# Allegro board reComputer J202_V1.0.brd (continued)
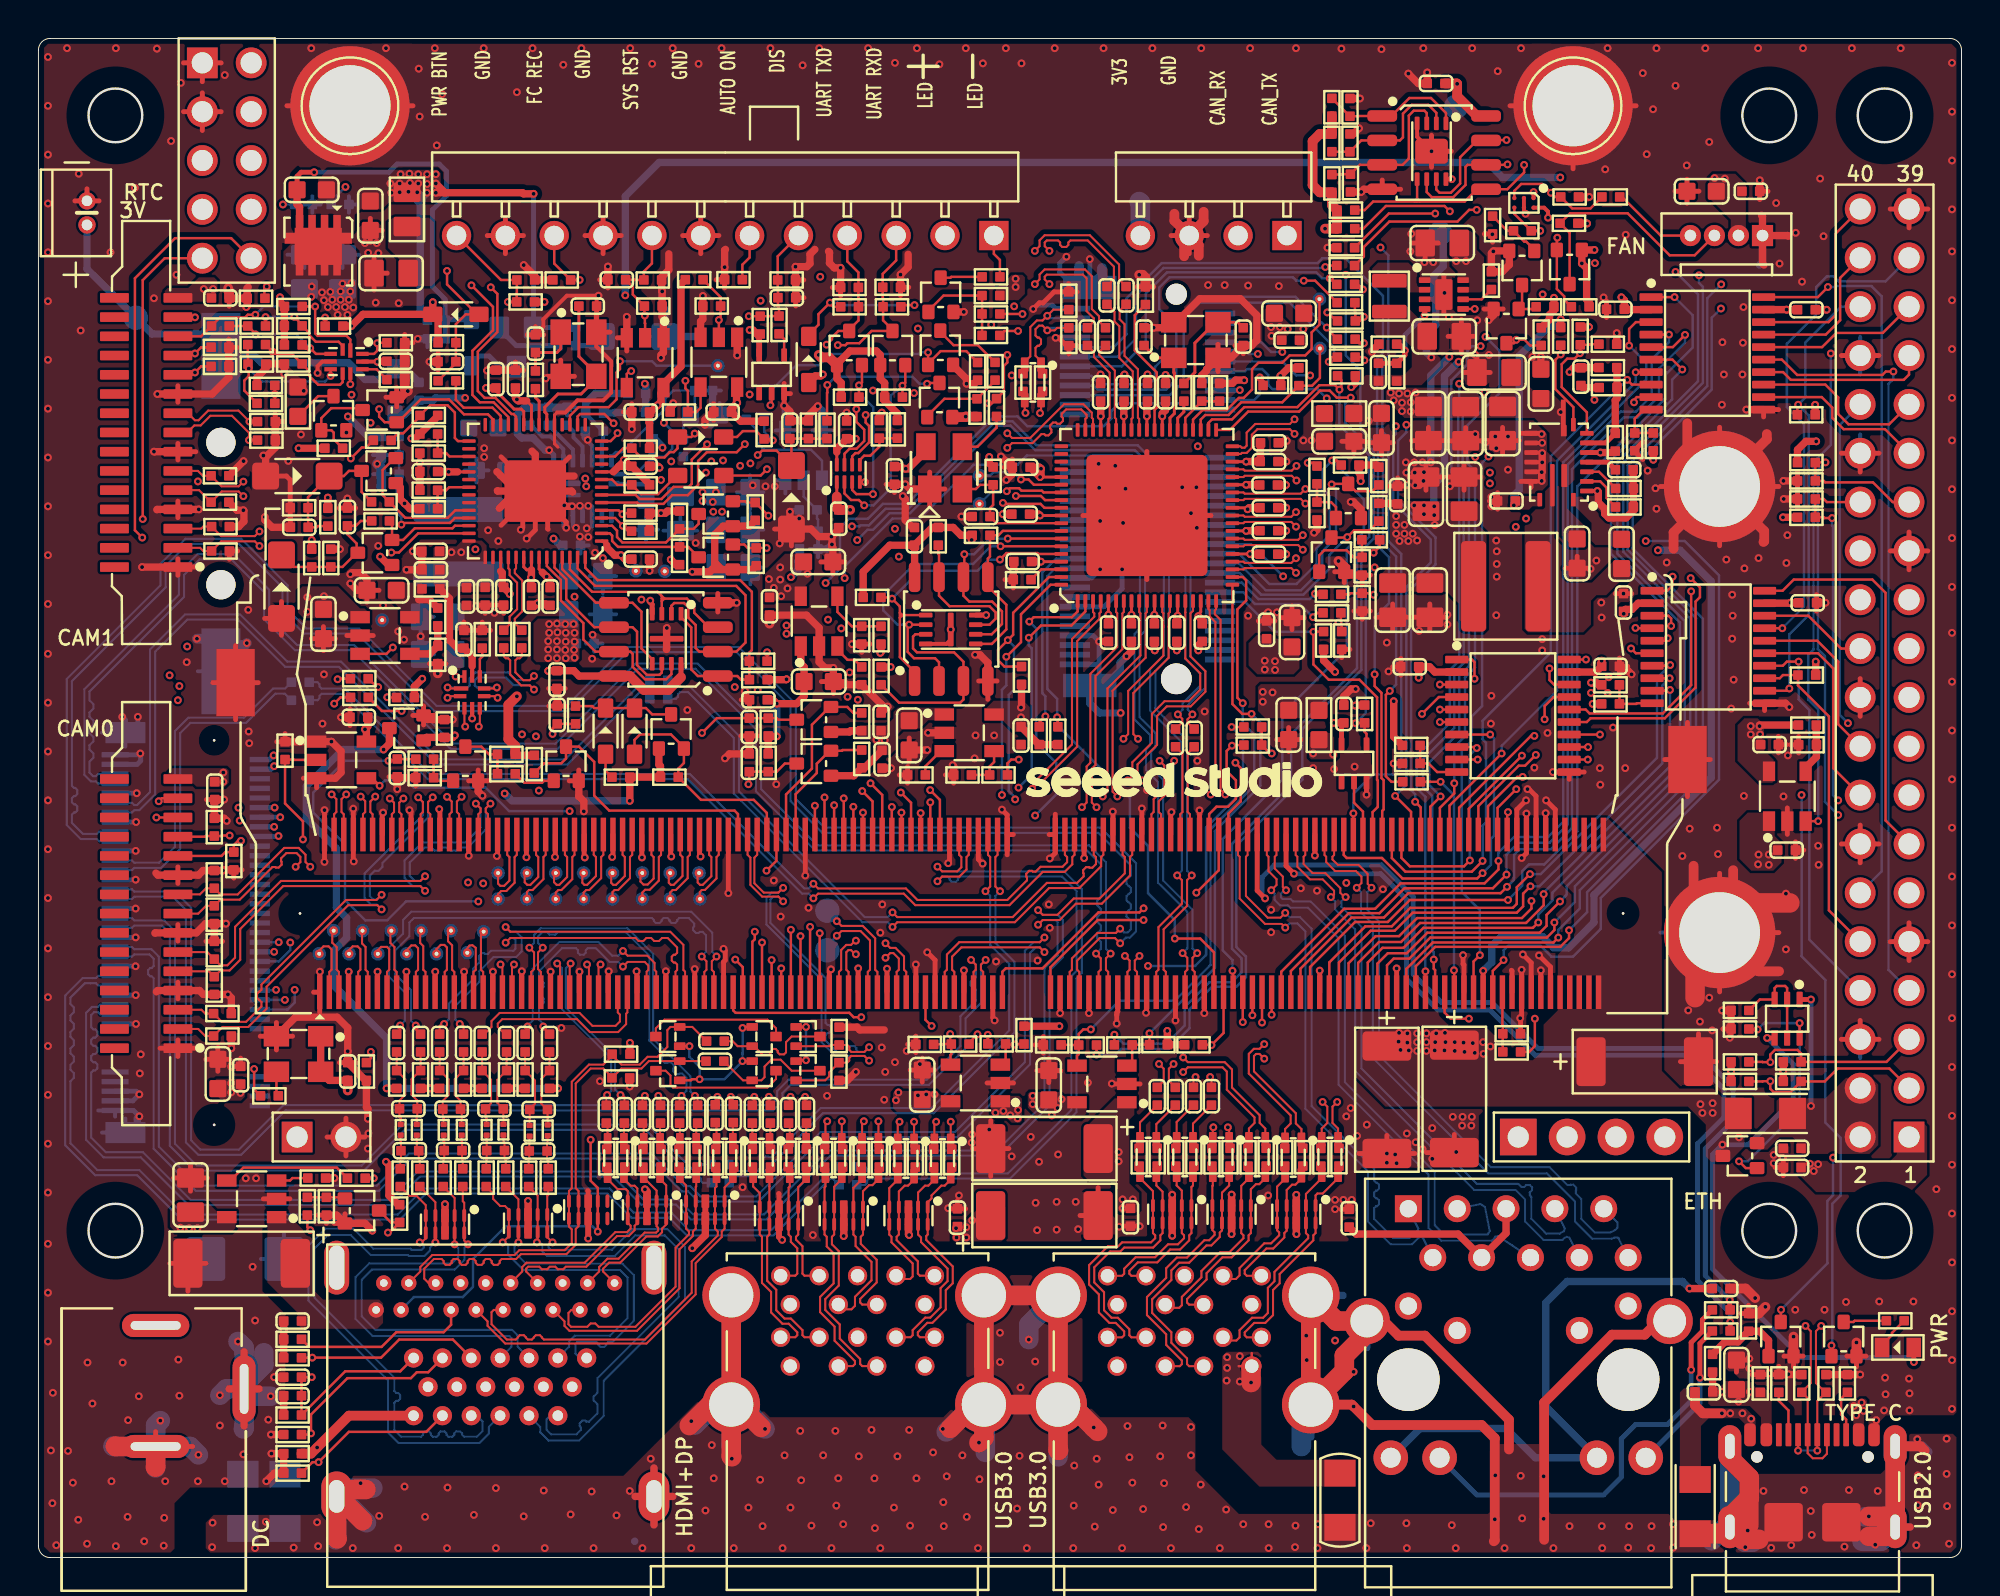
[diagram p0: board, top side]
## Nets (continued)
TYPE C_USB_DP: D6.2 J1.A6 J1.B6 U20.3
UART0_CTS: J11.105 J20.34
UART0_RTS: J11.103 J20.36
UART0_RXD: J11.101 J20.22
UART0_TXD: J11.99 J20.32
UART1_CTS: J11.209 U21.9
UART1_CTS_LS: J10.36 R169.2 U21.12
UART1_RTS: J11.207 U19.9
UART1_RTS_LS: J10.11 U19.12
UART1_RXD: J11.205 U21.8
UART1_RXD_LS: J10.10 R116.2 U21.13
UART1_TXD: J11.203 U21.7
UART1_TXD_LS: J10.8(TXD0/GPIO14) U21.14
UART2_RXD: J11.238 Q28.2(S) R176.2 U30.2
UART2_RXD_LS: D45.2 J15.3 Q28.3 R216.2 U30.7
UART2_TXD: J11.236 Q27.2(S) R175.2 U30.3
UART2_TXD_LS: D44.2 J15.4 Q27.3 R215.2 U30.6
USB0_AP_N: J11.109 U20.6
USB0_AP_P: J11.111 U20.2
USB0_VBUS_DET*: J11.87 Q1.3
USB1_A_N: J4.11 L10.3 R28.2 U4.2 U4.9
USB1_A_P: J4.12 L10.2 R40.2 U4.1 U4.10
USB1_AP_N: J11.115 TP43.1(TP) U28.56
USB1_AP_P: J11.117 TP41.1(TP) U28.55
USB1_B_N: J3.11 L15.3 R46.2 U7.2 U7.9
USB1_B_P: J3.12 L15.2 R52.2 U7.1 U7.10
USB2_A_N: J4.2 L9.3 R27.2 U4.5 U4.6(NC4)
USB2_A_P: J4.3 L9.2 R39.2 U4.4 U4.7
USB2_AP_N: J11.121 L27.2 R184.2
USB2_AP_P: J11.123 L27.3 R183.2
USB2_B_N: J3.2 L14.3 R45.2 U7.5 U7.6(NC4)
USB2_B_P: J3.3 L14.2 R51.2 U7.4 U7.7
USB3XI: C152.1 U28.45 X2.1
USB3XO: R177.1 U28.44
USB3XO_R: C153.1 R177.2 X2.3
USB_BOOT: D54.2 J17.2 R117.2
USB_DM: R120.2 U29.46
USB_DP: R121.2 U29.47
USB_MUX_OE*: R119.1 U20.8
USB_MUX_SEL: D43.2 J17.5 R207.2 U20.10
USBSS_RX_A_CON1_N: J4.14 L1.2 R30.2 U5.4 U5.7
USBSS_RX_A_CON1_P: J4.15 L1.3 R29.2 U5.5 U5.6(NC4)
USBSS_RX_A_CON2_N: J4.5 L2.2 R34.2 U5.1 U5.10
USBSS_RX_A_CON2_P: J4.6 L2.3 R33.2 U5.2 U5.9
USBSS_RX_B_CON1_N: J3.14 L11.2 R53.2 U8.4 U8.7
USBSS_RX_B_CON1_P: J3.15 L11.3 R47.2 U8.5 U8.6(NC4)
USBSS_RX_B_CON2_N: J3.5 L16.2 R54.2 U8.1 U8.10
USBSS_RX_B_CON2_P: J3.6 L16.3 R48.2 U8.2 U8.9
USBSS_RX_HUB_N: C151.2 U28.52
USBSS_RX_HUB_P: C150.2 U28.53
USBSS_RX_N: C161.1 J11.161
USBSS_RX_P: C160.1 J11.163
USBSS_TX_A_CON1_N: J4.17 L8.2 R41.2 U3.1 U3.10
USBSS_TX_A_CON1_P: J4.18 L8.3 R42.2 U3.2 U3.9
USBSS_TX_A_CON2_N: J4.8 L7.2 R32.2 U3.4 U3.7
USBSS_TX_A_CON2_P: J4.9 L7.3 R31.2 U3.5 U3.6(NC4)
USBSS_TX_B_CON1_N: J3.17 L13.2 R50.2 U6.1 U6.10
USBSS_TX_B_CON1_P: J3.18 L13.3 R44.2 U6.2 U6.9
USBSS_TX_B_CON2_N: J3.8 L12.2 R49.2 U6.4 U6.7
USBSS_TX_B_CON2_P: J3.9 L12.3 R43.2 U6.5 U6.6(NC4)
USBSS_TX_HUB_N: C161.2 U28.49
USBSS_TX_HUB_P: C160.2 U28.50
USBSS_TX_N: C151.1 J11.166
USBSS_TX_P: C150.1 J11.168(USBSS_TX_P)
USBSUS: TP33.1(TP) U28.64
W_DISABLE1: J20.56 Q19.3 R142.2
W_DISABLE1_CTRL: J11.128 R266.1
W_DISABLE2: J20.54(W_DISABLE2#(O)(0/3.3V)) Q22.3 R152.2
WIFI_EN: Q19.1 R266.2 R267.1
YELLOW_LED: J6.18(YEL-) R6.2
N25850412: R90.2 R96.2 U19.10
N25851230: R107.2 R110.2 U21.10
N25852172: R158.2 R159.2 U37.10
N25911235: D20.1 R83.2
N25912244: Q3.1 R11.1 R12.1
N25927437: LED1.2(C) R8.1
N25927478: Q2.3 R8.2
N25946676: Q31.3 R230.2
N25979746: D38.2(C) R215.1 R216.1
N26006489: Q11.2 Q11.3 Q11.5 R80.1
N26006497: Q4.1 Q11.6 R79.1
N26055734: C147.1 R185.1 X1.1
N26086243: R155.1 R162.1 U29.31
N26086803: R143.1 R148.1 U29.35
N26280660: TP37.1(TP) U29.17
N26375074: Q30.3 R203.2 R238.1 R270.1 U39.C1
N26991327: OSC1.3 R268.1
N27061287: C3.1 C5.1 D5.2 J1.B4 J1.B9 R4.1
N27061303: Q1.1 R4.2 R7.1
N27077930: D53.2(C) R257.1 R259.2
N27077935: Q35.1 R257.2
N27077990: D52.1 Q35.3
N27078074: C167.2 D52.2(C) Q34.4 R258.1 R260.2
N27079470: C163.1 R237.2
N27096429: C189.1 U42.19
N27097525: C192.1 R253.2
N27099474: C104.1 U32.19
N27099788: C144.1 R180.2
N27107328: Q29.3 R190.2
N27107353: Q26.1 R171.1 R190.1
N27107904: Q26.3 R165.1
N27110960: R212.2 U33.4(Y)
N27125534: R219.1 U38.6
N27125586: C141.2 R194.2 R199.1 U38.4
N27163242: R122.1 R123.2 U27.4
N27163660: R114.1 U27.3
N27181331: R86.1 R87.2 U18.4
N27181337: R85.1 U18.3
N27707013: R269.1 U43.1(RST)

Pads without a net: J1 A8 B8; J5 A14 S2; J9 16 17 18 19 20 21 22 23 24 25 26 27 28 29 30; J12 16 17 18 19 20 21 22 23 24 25 26 27 28 29 30; J18 6 8 10 20 22 24 26 28 30 32 34 36 38 46 48 56 58 67 69; J20 6 16 21 23 38 40 42 44 46 48 59 61 64 65 66 67 68 70 71 73; U9 1 10; U16 1; U28 57 58 59 60 61; U29 8 11 13 15 18 28 30 32 34 36 37; U33 1

## Via types
v1: diameter 0.406, hole 0.203, TOP to BOTTOM, 1796 vias

## Routing (per net, layer and track width the routed paths; a pad name or vN(x,y) marks a point on that pad's centre or on a via; arc(x,y) is an arc through that point)
1V1_MCU: length 21.5
  TOP w0.152: 26.2,51.24 26.04,51.4 U29.50 ; U29.23 25.24,59.6 25.11,59.72 24.74,59.72 23.79,60.67 C143.1 ; U29.45 24.04,51.3
  TOP w0.381: 24.04,51.3 24.12,51.21 24.12,50.53 C98.1 24.51,50.14 v1(24.51,50.11) ; 26.2,51.24 v1(26.43,51.01) 26.6,50.83 C96.1 ; C143.1 v1(23.28,60.82)
  LAY3 w0.381: v1(26.43,51.01) 25.95,51.49 25.16,51.49 24.51,50.84 v1(24.51,50.11)
  LAY4 w0.381: v1(23.28,60.82) 24.51,59.6 v1(24.51,50.11)
3V3_LDO: length 1.2
  TOP w0.381: R125.1 20.32,49.82 19.77,49.82
3V3_MCU: length 101.9
  TOP w0.152: U29.1 29.33,52.86 29.55,52.64 ; 21.8,56.46 U29.33 ; 25.39,60.15 25.64,59.91 U29.22 ; U29.49 25.64,51.37 25.39,51.37 25.24,51.52 U29.48 ; 29.89,56.46 U29.10
  TOP w0.203: 22.55,46.35 U20.9
  TOP w0.254: 33.41,45.78 U23.8
  TOP w0.305: U33.5 37.48,63.58 R211.1
  TOP w0.381: 25.64,51.37 25.64,50.98 v1(25.62,50.96) 25.62,50.46 C95.1 ; v1(36.98,63.84) 37.15,63.84 37.35,63.63 R211.1 ; R201.1 20.78,64.38 D41.2 ; D41.2 v1(20.51,65.29) ; D41.2 16.88,64.65 v1(16.27,64.04) R207.1 ; C142.1 24.8,60.3 v1(24.88,60.23) 24.95,60.15 25.39,60.15 ; v1(17.77,52.05) 18.2,51.62 Q20.1 ; U22.8 28.12,45.84 27.84,46.12 C79.1 26.52,46.12 v1(26.5,46.11) ; R111.1 38.88,45.65 v1(38.9,45.68) ; Q23.1 18.82,55.64 18.82,55.04 v1(19.04,54.82) 19.31,54.54 R143.2 ; R136.1 R146.1 v1(32.37,54.31) 32.6,54.31 32.71,54.42 R138.1 ; R150.1 31.78,55.82 C125.1 30.77,56.75 ; R133.1 33.15,51.63 v1(32.88,51.9) ; 29.55,52.64 29.55,52.53 29.96,52.13 v1(30.29,52.13) 30.49,51.92 C107.1 ; 30.77,56.75 30.18,56.75 ; 30.77,56.75 v1(30.44,57.08) 30.44,57.01 30.18,56.75 ; R168.1 20.76,59.36 R162.2 19.6,58.2 v1(19.39,58.2) ; 22.55,46.35 22.55,46.87 C80.1 21.79,47.29 21.37,47.71 21.37,49.87 FB3.2 ; 30.18,56.75 29.89,56.46 ; R156.1 31.78,58.99 31.75,59.02 31.75,59.46 31.78,59.49 C135.1 31.84,59.57 v1(32.19,59.93) 32.37,60.1 32.37,60.55 32.5,60.67 U34.5 32.5,61.03 33.41,61.95 33.41,66.23 R228.1 ; 21.8,56.46 v1(21.33,56.46) 21.31,56.47 C122.1
  TOP w0.508: U22.8 30.76,45.84 31.48,45.12 32.75,45.12 33.41,45.78
  LAY3 w0.381: v1(32.19,59.93) 32.93,60.66 33.95,60.66 34.33,61.04 34.33,61.93 36.23,63.84 v1(36.98,63.84) ; v1(30.29,52.13) 30.81,52.13 31.04,51.9 v1(32.88,51.9) ; v1(25.62,50.96) 25.62,50.44 25.44,50.26 25.44,47.02 26.35,46.11 v1(26.5,46.11)
  LAY4 w0.381: v1(38.9,45.68) 38.53,46.04 27.09,46.04 27.03,46.11 v1(26.5,46.11) ; J17.7 9.82,68.82 9.82,66.81 10.83,65.79 11.29,65.79 13.22,63.86 15.19,63.86 15.37,64.04 v1(16.27,64.04) ; v1(32.88,51.9) 32.88,53.81 v1(32.37,54.31)
  LAY4 w0.508: v1(21.98,52.28) 21.98,51.68 24.15,49.52 24.94,49.52 25.62,50.2 v1(25.62,50.96)
  vias: v1(21.48,52.28)
3V3_MCU_FB: length 2.7
  TOP w0.381: R125.2 R118.1 20.35,47 U24.4
GND: length 1579.5
  TOP w0.127: 63.09,9.27 J3.4 ; J3.4 63.09,10.63 ; J3.4 62.41,9.95 ; 32.66,48.28 32.66,48.33 v1(32.68,48.34) ; 31.64,18.97 31.56,19.06 31.56,19.13
  TOP w0.152: 26.96,59.54 26.84,59.42 U29.19 26.84,57.92 27.01,57.74 ; U30.4 v1(42.98,55.93)
  TOP w0.203: U25.4 47.21,47.51 47.44,47.74 v1(47.44,48.26) ; U32.14 78.15,56.47 v1(78.17,56.45) ; 71.79,73.57 72.23,73.13 v1(72.44,73.13) 71.69,73.88 U41.4 ; v1(78.19,57.97) 78.19,57.97 U32.11 ; U32.1 v1(81.06,55.47) ; U32.13 78.18,56.97 v1(78.19,56.95) ; C147.2 26.25,64 26.25,64.4 27.48,65.62 v1(29.12,65.62) 29.12,65.59 29.03,65.5 C157.2 ; v1(78.17,55.99) 78.14,55.97 U32.15 ; U36.4 14.75,62.2 14.52,61.96 v1(14.52,61.6) ; U32.12 78.16,57.47 v1(78.19,57.44) ; U39.B1 U39.B2 77.25,69.97 v1(77.33,69.88) ; U20.4 v1(22.55,43.64) ; X1.4 29.01,62.98 29.78,62.21 29.78,60.59 29.37,60.18 28.03,60.18 27.39,59.54 26.96,59.54
  TOP w0.254: J11.261 86.93,41.5 ; J11.261 85.75,39.57 ; J11.261 85.75,43.43 ; J11.261 84.57,41.5 ; 50.64,57.13 C124.2 50.21,56.7 ; 19.62,40.13 R82.2 19.62,40.98 ; 90.48,41.85 C64.2 ; C64.2 90.91,42.28 ; C64.2 90.48,42.71 ; J17.1 9.5,77.73 ; J17.1 7.54,77.73 ; J17.1 8.52,76.75 ; 51.91,25.32 C43.2 ; C43.2 53.16,25.32 ; C43.2 52.54,25.95 ; C43.2 52.54,24.7 ; 14.2,47.79 C88.2 ; C88.2 15.44,47.79 ; C88.2 14.82,48.41 ; C88.2 14.82,47.16 ; 91.53,41.84 R98.2 ; R98.2 91.1,42.27 ; R98.2 91.53,42.7 ; D24.1 69.26,49.22 ; D24.1 68.4,49.22 ; D24.1 68.83,48.79 ; 45.26,66.06 D45.1 44.83,65.63 ; X1.2 26.48,61.43 v1(26.38,61.32) ; X1.2 27.87,61.43 ; X1.2 27.16,62.27 ; 11.76,48.84 D23.1 ; D23.1 12.64,49.72 ; D23.1 12.64,47.96 ; 89.11,9.52 D5.1 89.96,9.52 ; 75.19,68.83 R233.2 75.62,68.4 ; 44.08,55.81 C121.2 44.51,55.38 ; C48.2 87.26,25.79 ; C48.2 85.38,25.79 ; C48.2 86.32,27.24 ; C163.2 17.45,67.67 ; C163.2 17.45,65.92 ; C163.2 18.14,66.79 ; OSC1.2 13.21,27.11 ; OSC1.2 12.37,27.82 ; OSC1.2 12.37,26.4 ; OSC1.2 11.54,27.11 ; U19.11 80.38,40.85 ; U19.11 79.6,40.47 ; U19.11 v1(78.75,40.85) ; J11.141 49.62,28.07 49.72,27.97 v1(49.72,27.93) ; 39.16,52.61 D29.1 38.28,53.49 ; v1(77.43,39.96) 77.51,39.96 77.87,39.59 J11.246 ; 67.78,58.05 C128.2 ; C128.2 68.4,57.43 ; C128.2 69.03,58.05 ; 69.88,71.64 U40.4 70.83,71.16 ; 50.37,36.55 J11.144 ; J11.144 50.69,37.6 ; J11.144 50.37,38.62 v1(50.1,38.89) ; 59.84,67.81 J16.3 ; J16.3 58.9,68.75 ; J16.3 60.78,68.75 ; J16.3 59.84,69.69 ; J11.43 25.12,30.33 25.13,30.34 v1(25.13,30.49) ; 45.28,41.37 C68.2 45.28,42.62 ; J11.176 v1(60.37,38.86) ; C199.2 76.13,58.77 ; C199.2 76.13,57.4 ; C199.2 75.26,58.08 ; C199.2 77.01,58.08 ; v1(74.08,31.33) 74.08,30.87 74.12,30.82 J11.231 ; J15.11 24.28,69.69 ; J15.11 24.28,67.81 ; J15.11 23.34,68.75 ; J15.11 25.22,68.75 ; 20.78,62.62 C145.2 20.78,61.76 ; C147.2 25.85,64.02 ; C147.2 25.42,63.59 ; C147.2 26.27,63.59 ; 9.93,51.92 D25.1 10.36,52.34 ; 91.47,55.48 D28.1 91.47,54.62 ; v1(19.29,38.87) 19.37,38.79 J11.20 ; J10.39 98.25,70.13 ; J10.39 96.29,70.13 ; J10.39 97.27,71.11 ; J10.39 97.27,69.15 ; 73.62,22 C38.2 72.18,21.06 ; C193.2 85.72,71.68 ; C193.2 86.35,71.05 ; C193.2 85.72,70.43 ; C193.2 85.1,71.05 ; 34.44,67.81 J15.7 ; J15.7 35.38,68.75 ; J15.7 33.5,68.75 ; J15.7 34.44,69.69 ; 70.85,45.9 C77.1 ; C77.1 70.85,46.75 ; C77.1 70.42,46.32 ; D33.1 12.89,56.24 13.09,56.04 R144.2 13.09,54.09 13.1,54.08 C110.2 ; 36.55,44.61 C75.2 36.98,44.18 ; 26.5,53.47 26.48,53.5 26.48,54.13 25.84,54.78 ; 35.25,66.46 R229.2 35.68,66.03 ; D40.1 54.01,63.02 ; D40.1 53.58,62.59 ; D40.1 53.46,63.02 53.05,63.43 v1(52.89,63.43) ; 8.52,74.21 J17.3 ; J17.3 9.5,75.19 ; J17.3 8.52,76.17 ; J17.3 7.54,75.19 ; U33.3 39.1,60.53 ; U33.3 38.78,61.06 ; U33.3 v1(38.78,59.9) ; C19.2 49.52,22.72 ; C19.2 50.46,21.27 ; C19.2 48.58,21.27 ; C19.2 49.52,19.82 ; 49.37,44.63 U26.4 ; U26.4 49.85,45.59 ; U26.4 48.89,45.59 ; v1(77.36,39.38) 76.87,38.9 J11.242 ; 14.97,17.38 R12.2 14.54,17.81 ; J11.13 17.62,30.46 v1(17.63,30.47) ; 14.46,40.03 U17.3 13.78,40.53 ; 57.14,66.09 R225.2 57.99,66.09 ; 7.25,35.06 J9.10 7.25,35.92 ; v1(29.65,30.49) 29.62,30.46 J11.61 ; 1.89,70.55 J14.1 ; J14.1 2.52,71.18 ; J14.1 3.15,70.55 ; 7.25,29.92 J9.4 7.25,29.06 ; J11.262 10.25,47.43 ; J11.262 11.43,45.5 ; J11.262 9.07,45.5 ; J11.262 10.25,43.57 ; 25.84,54.78 25.84,55.04 ; 25.84,54.78 25.84,53.44 v1(25.39,52.99) ; 25.84,55.04 25.18,54.39 25.18,53.55 v1(25.08,53.45) ; 25.84,55.04 U29.57 ; 45.19,40.27 R85.2 ; R85.2 44.76,40.7 ; R85.2 45.19,41.13 ; 64.39,42.54 C70.2 ; C70.2 65.64,42.54 ; C70.2 65.01,41.92 ; C70.2 65.01,43.16 ; 67.41,51.27 Q19.2 ; Q19.2 67.9,50.71 ; Q19.2 68.4,51.27 ; 90.49,59.7 U37.11 89.71,59.32 ; C134.2 73.16,58.09 ; C134.2 72.28,57.4 ; C134.2 71.4,58.09 ; C134.2 72.28,58.77 ; v1(48.12,30.54) J11.135 ; 67.73,18.11 C9.2 68.16,18.54 ; 46.35,54.69 U31.1 ; U31.1 47.13,55.57 ; U31.1 46.35,56.45 ; 19.47,43.79 Q16.2 ; Q16.2 20.03,44.29 ; Q16.2 20.59,43.79 ; Q16.2 20.03,43.3 ; 64.56,48.88 C86.2 ; C86.2 65.18,48.26 ; C86.2 65.81,48.88 ; C86.2 65.18,49.5 ; 37.39,42.73 C69.2 36.54,42.73 ; 89.76,44.05 U21.11 88.98,44.43 ; C198.2 74.8,62.51 ; C198.2 75.49,61.63 ; C198.2 74.12,61.63 ; v1(31.38,36.41) 31.37,36.41 J11.68 ; 38.49,18.93 38.51,18.92 U3.3 ; 54.31,54.19 U28.77 ; U28.77 60.97,54.19 ; U28.77 57.64,50.86 ; U28.77 57.64,57.52 ; 92.46,49.22 C91.2 92.46,50.08 ; v1(47.31,36.11) 47.31,36.13 47.37,36.19 J11.132 ; C10.2 47.79,18.56 ; C10.2 48.21,18.14 ; C10.2 47.36,18.14 ; J11.62 29.87,36.47 v1(29.83,36.43) ; 91.47,55.56 D30.1 91.47,56.42 ; 96.29,52.35 J10.25 ; J10.25 97.27,53.33 ; J10.25 97.27,51.37 ; J10.25 98.25,52.35 ; C142.2 25.23,61.75 ; C142.2 24.8,62.18 ; C142.2 24.38,61.75 ; v1(31.1,30.49) 31.12,30.46 J11.67 ; R119.2 23.08,48.65 ; R119.2 22.65,48.22 ; R119.2 23.51,48.22 ; C13.2 7.91,20.43 ; C13.2 8.78,19.74 ; C13.2 7.91,19.05 ; C13.2 7.03,19.74 ; 57.21,17.24 C11.2 56.36,17.24 ; v1(27.44,53.55) 27.44,53.85 U29.57 ; 83.4,58 83.01,57.6 R158.1 83.01,57.53 83.43,57.11 ; 27.6,40.39 Q12.2 28.1,40.95 ; 50.69,50.43 R129.2 50.26,50.85 ; 16.5,54.58 C112.2 15.64,54.58 ; 40.71,45.55 C76.2 ; C76.2 41.96,45.55 ; C76.2 41.34,44.93 ; C117.2 73.03,56.19 ; C117.2 72.15,55.51 ; C117.2 72.15,56.88 ; C117.2 71.27,56.19 ; 91.26,9.91 Q1.2 ; Q1.2 90.77,10.47 ; Q1.2 91.76,10.47 ; 18.23,40.6 C61.2 19.09,40.6 ; 50.7,24.68 U14.2 49.33,24.68 ; C122.2 v1(19.83,56.93) R155.2 ; 74.21,57.39 C132.2 ; C132.2 75.09,58.08 ; C132.2 74.21,58.76 ; C132.2 73.34,58.08 ; 68.2,47.23 D22.1 67.77,46.8 ; U32.5 v1(81.22,57.47) ; 35.11,59.14 C136.2 35.11,60 ; 28.42,68.75 J15.9 ; J15.9 29.36,67.81 ; J15.9 29.36,69.69 ; J15.9 30.3,68.75 ; 7.25,60.08 J12.10 7.25,60.94 ; 22.8,49.53 C97.2 ; C97.2 23.65,49.53 ; C97.2 23.23,49.1 ; v1(72.44,73.13) 72.44,73.96 ; v1(72.44,73.13) 72.44,72.3 ; v1(72.44,73.13) 73.47,73.13 ; 88.92,10.27 C5.2 88.3,9.64 ; D42.1 53.58,66.25 ; D42.1 54.01,65.82 ; D42.1 52.81,65.82 52.24,65.25 52.05,65.25 v1(51.73,64.93) ; 7.25,54.08 J12.4 7.25,54.94 ; 6.32,26.49 J9.1 ; J9.1 8.18,26.49 ; J9.1 7.25,26.92 ; J9.1 7.25,26.06 ; 81.54,64.49 C156.1 81.54,65.35 ; 71.42,68.36 C164.2 ; C164.2 72.11,67.48 ; C164.2 72.79,68.36 ; 72.35,48.22 C93.2 ; C93.2 71.47,48.9 ; C93.2 72.35,49.59 ; C93.2 73.23,48.9 ; 19.48,75.5 MH1.1 12.92,75.5 ; 88.92,13.12 R7.2 88.5,12.69 ; v1(32.91,36.46) 32.87,36.49 J11.74 ; 70.42,48.22 C92.2 ; C92.2 71.3,48.9 ; C92.2 69.54,48.9 ; C92.2 70.42,49.59 ; J11.19 19.12,30.46 v1(19.13,30.47) ; 55.91,24.63 U13.2 57.28,24.63 ; 7.25,51.08 J12.1 ; J12.1 7.25,51.94 ; J12.1 8.18,51.51 ; J11.201 v1(66.62,30.52) ; v1(20.84,38.92) 20.87,38.89 J11.26 ; 82.85,50.13 v1(82.42,50.13) 81.99,50.13 ; Q25.2 18.63,60.84 ; Q25.2 18.63,59.85 ; Q25.2 18.07,60.34 ; v1(56.07,27.77) 56.07,28.23 56.08,28.23 56.08,28.34 56.12,28.39 J11.159 ; 94.73,56.45 J10.30 ; J10.30 95.71,57.43 ; J10.30 93.75,57.43 ; v1(57.59,28.33) 57.62,28.36 J11.165 ; v1(17.92,38.74) 17.87,38.7 J11.14 ; v1(16.13,30.47) 16.12,30.46 J11.7 ; C46.2 9.95,25.91 ; C46.2 8.71,25.91 ; C46.2 9.33,25.29 ; C46.2 9.33,26.53 ; 52.56,37.6 J11.146 ; J11.146 52.87,36.64 v1(52.59,36.35) ; J11.146 52.87,38.65 ; 9.92,65.07 C158.2 10.35,65.5 ; J11.241 76.62,30.51 76.59,30.54 ; 43.24,47.5 R122.2 42.81,47.08 ; 12.82,42.85 R95.2 12.39,42.42 ; v1(31.81,49.76) 31.81,49.66 31.91,49.56 U23.4 ; 19.05,63.6 R200.2 19.47,63.18 ; 79.39,51.45 C105.2 ; C105.2 80.64,51.45 ; C105.2 80.01,52.07 ; J11.55 28.12,30.46 v1(28.13,30.47) ; 93.75,37.11 J10.14 ; J10.14 94.73,36.13 ; J10.14 95.71,37.11 ; J10.14 94.73,38.09 ; 90.07,9.52 R2.2 90.5,9.94 ; v1(46.21,31.48) 46.63,31.07 J11.129 ; MH4.1 87.42,58.78 ; MH4.1 87.42,52.62 ; MH4.1 84.34,55.7 ; MH4.1 90.5,55.7 ; 30.85,60 C135.2 30.43,59.57 ; J11.245 77.62,30.93 v1(77.19,31.36) ; C148.2 73.99,64.38 ; C148.2 73.99,62.63 ; C148.2 74.68,63.51 ; C148.2 73.3,63.51 ; 39.79,66.44 D49.1 39.37,66.01 ; 91.37,36.36 C59.2 ; C59.2 91.37,37.22 ; C59.2 91.79,36.79 ; 74.13,55.51 C118.2 ; C118.2 74.13,56.88 ; C118.2 75.01,56.19 ; C118.2 73.25,56.19 ; J11.200 v1(66.38,36.51) ; J11.31 22.12,30.46 v1(22.13,30.47) ; 69.84,57.36 C131.2 ; C131.2 70.46,57.98 ; C131.2 69.21,57.98 ; C131.2 69.84,58.6 ; 10.16,35.33 D18.1 10.59,35.76 ; 68.83,50.66 R267.2 69.26,51.09 ; 17.71,50.3 C99.2 17.08,49.68 ; 15.38,17.38 Q3.2 15.94,17.87 ; 14.62,28.35 J11.1 ; J11.1 14.31,29.4 ; J11.1 14.62,30.46 v1(14.63,30.47) ; 24.06,53.68 U29.57 ; U29.57 24.06,57.24 ; U29.57 27.61,57.24 ; J11.107 41.12,30.5 v1(41.21,30.59) ; 16.2,43.27 C72.2 16.2,44.13 ; 41.71,65.62 D44.1 41.28,66.05 ; J10.9 97.27,33.01 ; J10.9 97.27,31.05 ; J10.9 98.25,32.03 ; J10.9 96.29,32.03 ; C78.2 82.21,46.78 ; C78.2 82.21,45.92 ; C78.2 82.64,46.35 ; C157.2 29.03,63.75 X1.4 ; R90.1 v1(70.47,41.3) ; J11.38 23.87,36.52 v1(23.84,36.48) ; J11.37 23.62,30.46 v1(23.63,30.47) ; v1(77.13,36.38) 77.38,36.63 J11.244 v1(77.38,38.69) ; J11.50 26.87,36.45 v1(26.86,36.43) ; 87.59,27.49 R79.2 88.02,27.06 ; 15.99,20.89 J7.2 ; J7.2 15.01,21.87 ; J7.2 16.97,21.87 ; J7.2 15.99,22.85 ; J11.85 35.63,30.98 35.72,31.07 35.72,31.56 v1(35.62,31.66) ; 77.62,55.66 U32.15 77.09,55.97 ; v1(28.41,36.41) 28.37,36.44 J11.56 ; 8.02,5.77 J2.2 6.09,6.55 ; 39.38,65.09 C159.2 39.81,65.52 ; 20.33,46.48 R118.2 21.19,46.48 ; X1.4 29.72,63.73 ; X1.4 29.01,64.57 ; C165.2 17.88,69.02 ; C165.2 17.26,69.64 ; C165.2 17.26,68.4 ; C116.2 71.11,55.72 ; C116.2 70.68,56.14 ; C116.2 70.25,55.72 ; J11.164 v1(57.37,38.95) ; 76.17,64.93 Q30.2 75.17,64.93 ; 26.55,44.28 C73.2 27.4,44.28 ; 87.42,29.42 MH3.1 ; MH3.1 90.5,32.5 ; MH3.1 87.42,35.58 ; J11.247 v1(78.12,30.54) ; v1(70.12,21.01) 71.57,21.01 ; v1(70.12,21.01) 70.12,21.95 ; v1(70.12,21.01) 68.67,21.01 ; 35.33,50.13 U22.4 35.33,49.17 ; 62.65,62.6 C153.2 62.22,63.03 ; 23.76,49.53 C98.2 24.19,49.1 ; J12.7 8.18,57.51 ; J12.7 7.25,57.08 ; J12.7 7.25,57.94 ; 73.08,64.7 U38.9 73.08,66.66 ; 94.73,45.71 J10.20 94.73,43.75 ; C101.2 41.93,51.78 ; C101.2 40.69,51.78 ; C101.2 41.31,51.15 ; C129.2 v1(42.03,59.54) ; 47.59,40.27 R86.2 47.16,40.7 ; 61.34,61.68 X2.2 61.34,63.1 ; 90.94,38.98 U15.2 90.94,37.61 ; 10.09,25.54 C45.2 10.52,25.97 ; MH2.1 83.08,75.5 ; MH2.1 79.8,72.22 ; MH2.1 76.52,75.5 ; v1(58.91,38.77) 58.87,38.73 J11.170 ; C8.2 8.71,15.3 ; C8.2 6.83,15.3 ; C8.2 7.77,13.85 ; v1(14.87,36.18) 14.88,36.18 J11.2 v1(14.88,38.87) ; J10.6 94.73,27.93 ; J10.6 93.75,26.95 ; J10.6 95.71,26.95 ; 63.43,48.71 C87.2 64.29,48.71 ; J11.217 v1(70.62,30.64) ; 90.73,19.86 C14.2 ; C14.2 90.3,20.29 ; C14.2 90.73,20.72 ; 13.07,18.66 U12.2 11.7,18.66 ; 94.04,10.47 Q2.2 ; Q2.2 95.03,10.47 ; Q2.2 94.54,9.91 ; 26.53,45.19 C79.2 27.39,45.19 ; 89.51,70.62 C166.2 89.94,71.05 ; v1(78.03,31.31) 78.62,30.72 J11.249 ; J11.113 v1(42.63,30.64) ; 75.88,54.52 C119.2 ; C119.2 75.45,54.95 ; C119.2 75.88,55.38 ; v1(16.37,38.95) 16.37,38.94 J11.8 16.37,36.22 v1(16.4,36.2) ; 16.51,25.74 C47.2 15.65,25.74 ; v1(34.43,36.46) 34.37,36.51 J11.80 ; 12.32,59.5 D36.1 12.74,59.08 ; v1(55.87,38.79) 55.87,38.79 J11.158 ; U16.3 v1(69.06,39.67) ; J11.102 v1(39.87,35.47) ; 9.57,32.05 D15.1 8.71,32.05 ; J11.153 v1(54.62,28.31) ; 28.56,19.08 28.59,19.06 U9.3 ; v1(20.63,30.47) 20.62,30.46 J11.25 ; J11.44 v1(25.37,36.42) ; v1(26.63,30.47) 26.62,30.46 J11.49 ; 22.37,40.39 Q13.2 ; Q13.2 22.86,40.95 ; Q13.2 23.36,40.39 ; J11.248 v1(78.38,38.71) ; 8.74,39.42 C60.2 9.17,38.99 ; v1(77.12,30.56) J11.243 77.12,28.2 77.05,28.13 v1(77.05,28.05) 77.07,28.03 D11.1 ; 7.25,32.06 J9.7 7.25,32.92 ; v1(35.87,34.55) J11.86 ; 45.33,25.35 C44.2 ; C44.2 46.58,25.35 ; C44.2 45.96,25.97 ; C44.2 45.96,24.73 ; 95.71,62.51 J10.34 93.75,62.51 ; 55.1,19.23 C12.2 54.16,17.79 ; 9.9,63.36 D39.1 10.33,62.94 ; 22.12,48.65 C80.2 22.55,48.22 ; 30.1,63.43 U34.3 30.59,62.75 ; 52.25,26.23 R70.2 ; R70.2 52.25,27.09 ; R70.2 51.83,26.66 ; J11.119 v1(44.12,30.62) ; 16.04,47.95 U24.2 17.41,47.95 ; 45.62,26.26 R74.2 ; R74.2 45.62,27.11 ; R74.2 45.2,26.69 ; 29.61,66.02 C162.2 29.18,66.45 ; 78.15,58.47 U32.10 77.09,58.47 ; J11.79 v1(34.12,30.61) ; v1(78.4,39.38) 78.87,38.9 J11.250 ; J11.73 v1(32.63,30.49) ; v1(45.63,30.84) J11.125 ; v1(49.1,36.09) 48.87,36.31 J11.138 ; J11.177 v1(60.62,28.31) ; J11.32 v1(22.37,36.5) ; J11.152 v1(54.37,36.37) ; J11.171 v1(59.12,27.93) ; J11.147 v1(53.12,28.31)
  TOP w0.305: U11.3 U11.8 ; v1(38.67,16.52) 38.51,16.68 U3.8 U3.3 ; U9.3 U9.8 v1(28.59,16.59) ; U10.3 U10.8
  TOP w0.381: C79.2 26.96,44.76 v1(26.94,44.74) 26.97,44.7 C73.2 ; U10.3 31.64,19.04 v1(31.54,19.15) ; v1(16.22,50.65) 16.57,50.3 C99.2 17.08,50.88 16.75,51.21 16.29,51.21 v1(16.22,51.14) ; 26.56,55.46 27.34,56.24 27.85,56.24 ; 26.56,55.46 U29.57 ; 26.56,55.46 27.72,55.46 27.77,55.4 ; v1(27.34,54.72) 27.39,54.67 v1(27.75,54.67) ; v1(12.12,5.4) D2.1 D1.1 12.27,4.39 v1(11.85,3.97) ; v1(64.91,58.07) 64.83,58.07 64.81,58.05 64.73,58.05 64.66,57.97 C127.2 ; Q16.2 20.24,43.58 R101.2 v1(21.54,43.58) ; U35.3 34.43,64.28 34.55,64.4 R222.2 v1(34.55,65.61) ; v1(17.13,22.82) 17.13,23.34 17.05,23.41 R261.2 17.01,24.81 C47.2 v1(16.08,26.33) 16.08,27.55 15.53,28.1 13.36,28.1 OSC1.2 ; 43.81,44.39 43.95,44.25 v1(44.16,44.25) 43.83,43.92 C71.2 43.81,44.39 ; 43.81,44.39 R114.2 41.5,45.39 C76.2 v1(41.34,46.26) 40.9,46.26 40.59,46.57 U27.2 40.59,48.35 39.94,49.01 C89.2 ; v1(59.19,47.18) 59.2,47.18 C84.2 ; 23.86,55.48 23.88,55.46 24.85,55.46 ; 24.86,55.46 23.96,54.57 ; 24.86,55.46 U29.57 ; 24.86,55.46 24.85,55.46 ; C140.2 v1(58.61,61.5) ; C72.2 v1(15.73,43.7) ; R199.2 69.5,62.9 69.5,62.89 69.35,62.74 v1(69.35,62.71) ; v1(58.05,47.18) 58.03,47.2 C83.2 ; C81.2 v1(55.16,47.64) ; C63.2 v1(44.33,41.05) ; v1(78.19,57.44) v1(78.19,56.95) 78.19,56.47 v1(78.17,56.45) v1(78.17,55.99) ; 40.37,68.03 40.12,67.77 40.12,67.29 39.96,67.13 v1(39.37,67.13) D49.1 39.38,66.43 C159.2 ; v1(91.05,44.23) 90.85,44.43 U21.11 ; v1(68.67,74.33) 68.37,74.03 R242.2 ; v1(50.05,57.26) C124.2 50.64,56.35 v1(50.33,56.04) ; C68.2 v1(46.21,42) ; 24.85,55.46 23.84,56.47 ; R189.2 48.65,61.04 v1(48.26,61.04) 48.26,61.29 47.56,61.99 Q29.2 ; U29.57 25.84,57.37 25.67,57.54 ; 41.08,67.93 41.13,67.88 41.13,67.32 41.38,67.07 v1(41.71,67.07) D44.1 ; C145.2 v1(20.33,62.19) ; v1(65.41,18.86) U8.3 U8.8 65.41,16.83 v1(65.42,16.82) ; C133.2 v1(78.13,62.44) ; 43.98,27.44 42.71,27.44 42.57,27.58 R77.1 ; v1(48.7,46.95) 48.96,46.95 49.37,46.54 U26.4 ; 32.78,67.8 32.78,66.96 32.41,66.59 D48.1 32.41,65.87 v1(32.43,65.84) R221.2 32.43,64.51 32.5,64.45 U34.1 32.5,62.67 32.37,62.54 v1(32.37,62.39) ; C78.2 82.45,46.11 82.66,46.11 v1(82.84,45.93) ; C114.2 50.56,54.26 50.56,54.26 v1(50.15,54.26) ; U11.8 34.68,16.77 v1(34,16.09) ; v1(62.04,16.82) 62.04,16.83 U7.8 U7.3 v1(62.04,18.87) ; v1(6.18,60.51) J12.10 9.03,60.51 9.9,61.38 D37.1 D39.1 ; D16.1 8.69,32.97 8.21,32.49 J9.7 6.08,32.49 6.06,32.47 ; D16.1 v1(9.75,32.97) ; D16.1 D15.1 ; D43.1 10.85,66.02 10.91,66.07 ; D43.1 9.93,65.49 C158.2 ; D43.1 10.85,65.08 v1(10.81,65.03) ; v1(71.56,56.42) 71.77,56.22 72.51,56.22 72.28,55.99 v1(72.02,55.99) 71.79,55.76 v1(71.59,55.76) ; R166.2 43.73,59.42 v1(43.85,59.54) ; C107.2 v1(31.78,51.32) ; 89.6,69.81 89.65,69.75 J13.1 ; R232.2 v1(67.03,68.12) ; Q13.2 22.86,39.84 v1(23.09,39.62) ; v1(21.14,18.38) U1.3 U1.8 ; C166.2 v1(89.51,71.62) ; Q31.2 v1(48.12,64.78) ; U37.11 v1(88.81,59.7) ; 32.68,48.29 32.66,48.28 U23.9 32.66,47.24 32.65,47.23 ; v1(25.23,67.22) 25.8,66.65 D46.1 D47.1 ; v1(41.87,16.72) 41.88,16.73 U4.8 U4.3 ; D28.1 v1(90.75,55.05) ; v1(23.33,61.73) 23.35,61.75 C143.2 24.8,61.75 C142.2 ; U17.3 15.44,40.53 15.73,40.83 15.73,41.93 v1(15.23,42.43) U17.1 13.64,42.43 13.63,42.42 R95.2 ; v1(81.06,55.47) 81.11,55.41 81.11,54.87 81.44,54.54 81.44,54.28 81.66,54.07 81.92,54.07 82.55,54.07 82.93,54.45 R145.2 82.94,54.64 R149.2 82.92,55.61 C123.2 ; C102.2 50.72,51.37 v1(50.69,51.34) R129.2 ; C87.2 63.86,49.08 v1(63.94,49.16) ; 10.69,6.84 J2.3 ; J2.3 9.91,8.77 ; J2.3 10.69,10.7 ; J2.3 11.47,8.77 ; v1(39.08,54.39) 39.08,53.6 39.16,53.52 D29.1 40.17,53.49 40.57,53.09 v1(41.24,53.09) ; v1(92.93,49.65) C91.2 ; v1(72.22,77.23) C168.2 71.75,76.66 v1(71.23,77.17) ; C152.2 v1(57.99,63.96) 58.75,63.96 X2.4 59.16,64.24 60.39,65.46 62.5,65.46 63.36,64.6 63.36,63.3 63.09,63.03 C153.2 62.01,62.39 X2.2 60.74,61.8 60.74,61.73 60.49,61.47 R178.1 ; C125.2 32.22,56.75 v1(32.3,56.67) ; v1(58.95,18.87) U6.3 U6.8 v1(58.95,16.73) ; C139.2 v1(57.67,61.53) ; 89.72,67.22 89.65,67.29 J13.1 ; C96.2 26.42,49.52 26.35,49.59 26.02,49.59 v1(25.97,49.64) 25.92,49.59 25.89,49.59 25.82,49.51 C95.2 ; C6.2 v1(12.75,11.82) R5.2 D8.1 ; C75.2 36.74,44.84 v1(36.74,45.07) ; v1(56.48,61.53) 56.45,61.5 C138.2 ; v1(9.79,38.31) 9.65,38.45 D19.1 9.14,39.39 C60.2 v1(9.65,39.42) ; v1(36.31,49.65) U22.4 ; R79.2 R80.2 v1(87.55,28.45) ; R240.2 v1(68.78,71.02) 68.92,71.16 U40.4 ; C2.2 D4.1 ; U18.2 v1(46.26,42.89) ; v1(42.51,25.25) 42.06,24.81 R66.1 ; D10.1 v1(90.73,25.31) D9.1 ; 90.74,9.52 D6.1 ; Q19.2 68.08,51.09 R267.2 ; U5.3 U5.8 45.24,16.81 v1(45.27,16.77) ; D18.1 9.62,35.76 v1(9.59,35.73) D17.1 8.56,35.73 8.32,35.49 J9.10 6.21,35.49 6.11,35.59 ; R86.2 47.59,41.15 v1(47.54,41.21) ; D31.1 v1(10.67,57.02) ; v1(6.01,57.51) 6.04,57.51 6.05,57.51 J12.7 ; v1(94.73,9.52) R3.2 D7.1 ; v1(75.4,64.35) 75.67,64.62 Q30.2 ; Q12.2 28.1,39.59 28.36,39.33 v1(28.36,38.81) ; J13.1 90.96,68.75 90.99,68.71 ; v1(30.85,58.68) C135.2 ; v1(33.01,60.03) 33.01,59.95 32.85,59.79 R170.2 ; v1(25.46,18.54) U2.3 U2.8 ; U34.3 v1(30.59,64.52) ; C4.2 v1(12.25,9.38) ; R238.2 v1(80.64,70.76) ; v1(66.33,53.3) 66.48,53.45 R265.2 ; R243.2 v1(68.72,75.88) ; v1(44.94,55.2) 44.94,55.18 45.07,55.05 45.07,53.96 45.46,53.57 C108.2 ; 35.72,68.03 35.68,67.98 v1(35.68,67.11) R229.2 ; C74.1 67.88,44.79 68.26,45.17 v1(68.49,45.17) ; v1(19.47,52.33) C106.2 19.93,51.38 C100.2 v1(19.14,51.37) ; D27.1 10.32,54.46 v1(10.65,54.46) 10.68,54.44 10.68,53.88 10.41,53.61 D26.1 ; D30.1 v1(90.74,55.99) ; v1(60.31,47.18) 60.31,47.25 60.34,47.28 60.34,47.46 C85.2 ; J12.1 v1(5.39,51.51) ; Q22.2 68.77,54.52 68.39,54.9 v1(68.24,54.9) ; U35.1 v1(36.33,62.52) ; D45.1 v1(44.83,66.72) 45.22,67.11 45.22,67.77 ; v1(34.66,58.91) 34.66,59.16 35.07,59.57 C136.2 ; C155.2 v1(92.99,64.89) ; D36.1 D35.1 12.32,57.73 11.9,57.31 v1(11.7,57.31) 11.81,57.19 D33.1 ; C126.2 v1(64.89,57) ; C111.1 41.62,53.48 v1(41.24,53.09) ; v1(17.36,17) 16.98,17.38 Q3.2 15.51,17.81 R12.2 ; v1(11.77,54.11) 11.77,53.96 12.15,53.58 C110.2 ; v1(35.7,41.56) 35.93,41.79 C62.2 C69.2 ; 6.13,29.42 6.2,29.49 J9.4 8.37,29.49 8.58,29.28 D14.1 v1(9.85,29.28) 10.03,29.11 D13.1 ; D12.1 v1(10.03,26.48) ; v1(56.58,46.87) 56.83,47.13 C82.2 ; v1(41.24,53.09) 41.26,53.07 v1(41.26,52.69) 41.26,52.56 41.31,52.51 C101.2 ; C113.2 v1(47.99,54.14) ; R107.1 v1(80.82,44.39) ; C120.2 v1(64.87,55.78) ; C121.2 v1(45.07,55.81) 45.32,55.57 U31.1 ; Q25.2 18.89,60.34 v1(19.21,60.66) ; R122.2 v1(42.3,47.5) ; R198.2 v1(82.07,63.68) ; C112.2 v1(16.07,55.08) ; v1(38.78,59.9) 39.07,59.6 C130.2 R164.2 40.04,59.39 v1(40.53,59.88) ; 6.16,54.49 6.18,54.51 J12.4 v1(8.34,54.51) ; C162.2 v1(29.61,67.14) ; C103.2 v1(64.88,52.18) ; R131.2 v1(15.68,52.44) ; D3.1 v1(12.09,6.4) ; R157.2 81.92,57.47 v1(81.22,57.47) ; R148.2 C122.2 ; v1(18.66,39.96) C61.2 18.71,40.55 R82.2 ; C115.2 v1(64.88,54.59) ; R65.2 v1(30.75,24.49) ; C109.2 v1(64.88,53.4) ; R14.2 v1(15.39,19.73) ; C137.2 v1(55.23,61.52) ; 76.48,67.23 76.12,66.87 R219.2 75.55,67.83 v1(75.65,67.93) 75.68,67.95 Q32.2 76.48,67.23